# Altium PCB PCB2.PcbDoc (part 1 of 2) (continued)
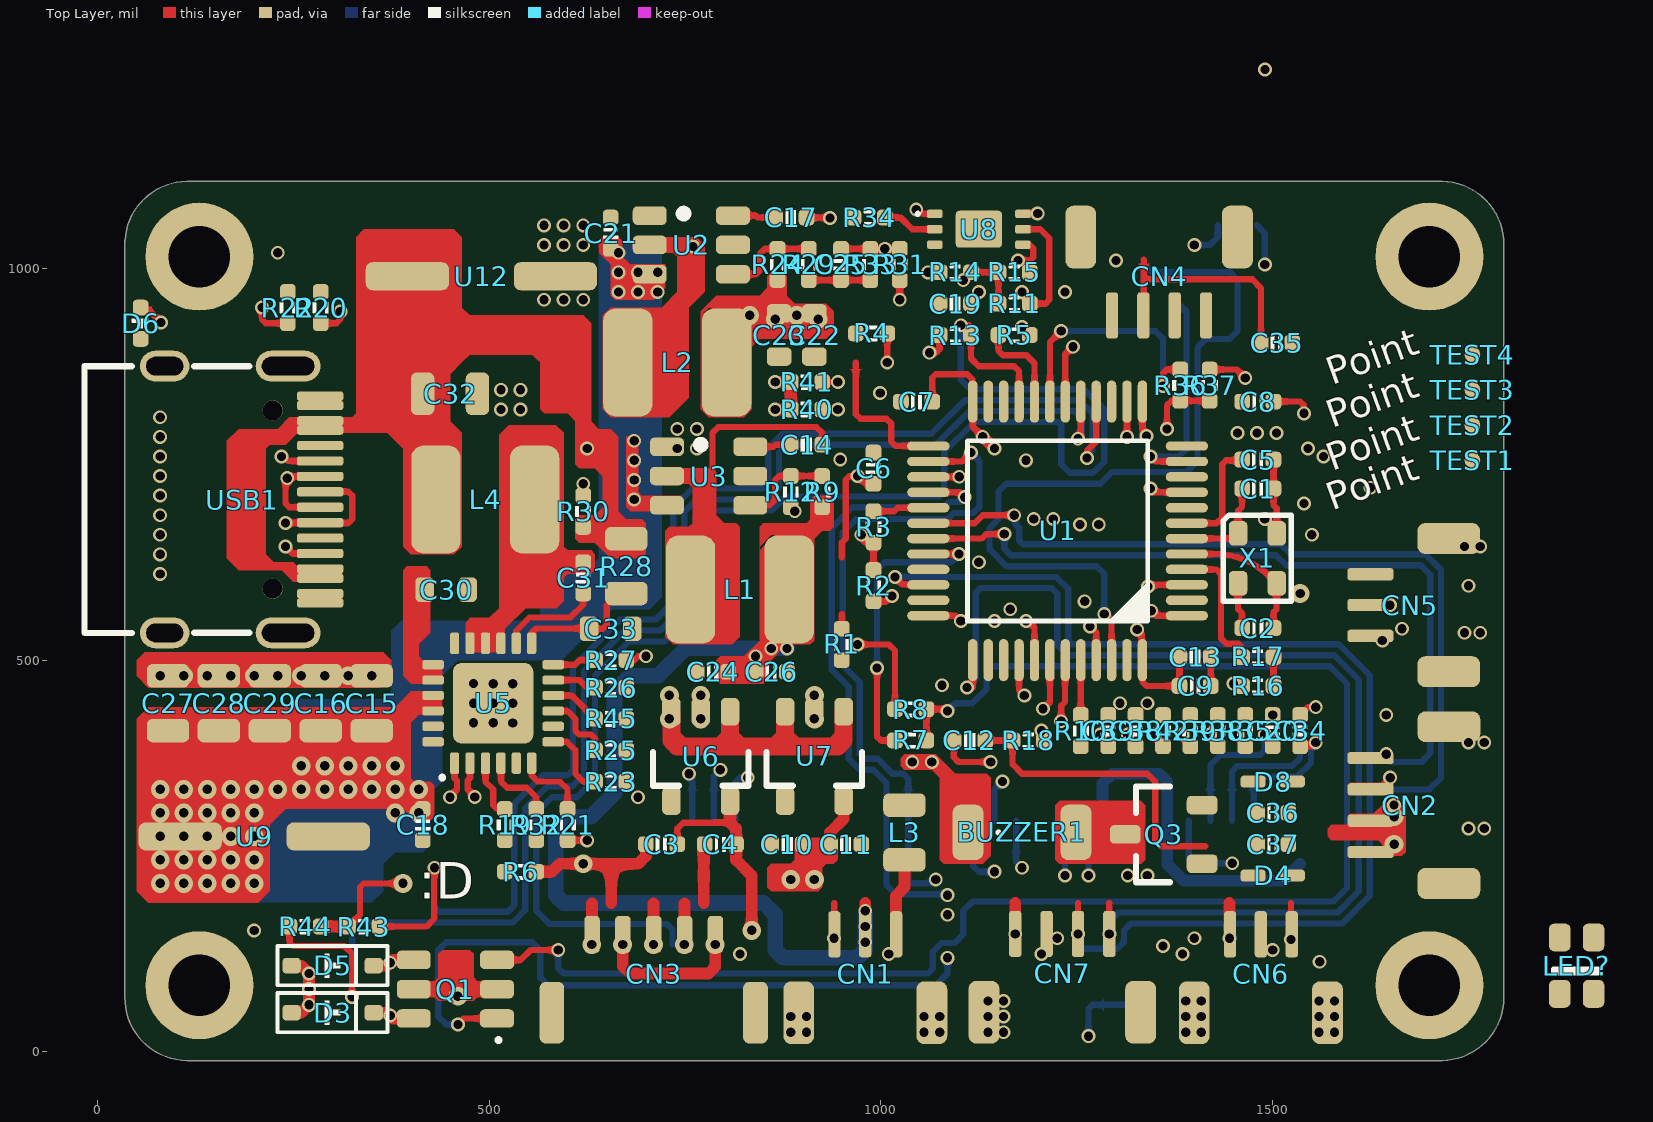
[diagram p0: Top Layer view]
## Design rules (kind name [scope] priority, off if disabled: settings)
Clearance [All] p1: gap=6 ignorepadtopadclearanceinfootprint=FALSE
ComponentClearance [All] p1 off: gap=10 collisioncheckmode=3 verticalgap=10 showdistances=FALSE
HoleSize [All] p1: absolutevalues=TRUE maxlimit=248.03 minlimit=7.87 maxpercent=80.000 minpercent=20.000
HoleToHoleClearance [All] p1: gap=6 allowstackedmicrovias=TRUE
MinimumSolderMaskSliver [All] p1: minsoldermaskwidth=6
PlaneClearance [All] p1: clearance=20
PlaneConnect [All] p1: planeconnectstyle=Direct reliefexpansion=20 reliefentries=4 reliefconductorwidth=10 reliefairgap=10
PolygonConnect [All] p1: connectstyle=Direct reliefconductorwidth=10 reliefentries=4 polygonreliefangle="90 Angle" airgapwidth=10
RoutingVias [All] p1: holewidth=11.81 width=17.72 viastyle="Through Hole" minholewidth=11.81 minwidth=17.72 maxholewidth=236.22 maxwidth=393.7
SilkToSilkClearance [All] p1: silktosilkclearance=0
SilkToSolderMaskClearance [IsPad] p1: minsilkscreentomaskgap=0 clearancetoexposedcopper=FALSE
SolderMaskExpansion [All] p1: expansion=4
UnRoutedNet [All] p1: checkbadconnections=TRUE
Width [All] p1: maxlimit=100 minlimit=5 preferedwidth=8 minimp=50.000000 maximp=50.000000 favimp=50.000000
21 further rules are at their usual default settings.

## Components (designator, comment, footprint, x,y, rotation, side; value= is the part's Value field where it differs from the comment)
BUZZER1 "DET402" BUZ-SMD_L4.0-W4.0-P3.50-L 1180,280 r0 top
C1 "12pF" CAP_0402 1481,719 r0 top
C2 "12pF" CAP_0402 1481,541 r0 top
C3 "10uF" CAP_0402 720,265 r0 top
C4 "0.1uF" CAP_0402 795,265 r0 top
C5 "100nF" CAP_0402 1481,756 r180 top
C6 "10uF" CAP_0402 990.5,745 r270 top
C7 "100nF" CAP_0402 1045.5,830 r0 top
C8 "10uF" CAP_0402 1481,830 r0 top
C9 "100nF" CAP_0402 1401,467 r180 top
C10 "10uF" CAP_0402 880,265 r0 top
C11 "0.1uF" CAP_0402 955,265 r180 top
C12 "10uF" CAP_0402 1113,397.5 r180 top
C13 "10uF" CAP_0402 1401,504 r180 top
C14 "100nF" CAP_0402 905,775 r180 top
C15 "10uF" CAP_0805 350,445 r90 top
C16 "10uF" CAP_0805 285,445 r90 top
C17 "100nF" CAP_0402 885,1065 r180 top
C18 "100nF" CAP_0402 415,290 r90 top
C19 "100nF" CAP_0402 1095,955 r0 top
C20 "1uF" CAP_0402 1500,410 r90 top
C21 "100nF" CAP_0402 655,1045 r270 top
C22 "100nF" CAP_0603 915,915 r270 top
C23 "100nF" CAP_0603 870,915 r270 top
C24 "100nF" CAP_0402 785,485 r180 top
C25 "100nF" CAP_0402 949,1005 r90 top
C26 "100nF" CAP_0402 860,485 r0 top
C27 "10uF" CAP_0805 90,445 r90 top
C28 "10uF" CAP_0805 155,445 r90 top
C29 "10uF" CAP_0805 220,445 r90 top
C30 "10uF" CAP_0603 445,590 r180 top
C31 "0.1uF" CAP_0402 620,605 r270 top
C32 "10uF" CAP_0805 450,840 r180 top
C33 "10uF" CAP_0603 655,540 r180 top
C34 "1uF" CAP_0402 1535,410 r90 top
C35 "0.1uF" CAP_0402 1505,905 r180 top
C36 "1uF" CAP_0402 1500,305 r0 top
C37 "1uF" CAP_0402 1500,265 r0 top
C38 "4.7uF" CAP_0402 1325,410 r270 top
C39 "2.2uF" CAP_0402 1290,410 r270 top
CN1 "HDGC1002WR-S-3P" SH1.0_3P-STAND 980,105 r0 top
CN2 "HDGC1002WR-S-4P" SH1.0_4P-STAND 1680,315 r90 top
CN3 "5P端子" SH1.0-5P-STAND 710,115 r0 top
CN4 "HDGC1002WR-S-4P" SH1.0_4P-STAND 1355,995 r180 top
CN5 "HDGC1002WR-S-3P" SH1.0_3P-STAND 1669.84,570.31 r90 top
CN6 "HDGC1002WR-S-3P" SH1.0_3P-STAND 1485,105 r0 top
CN7 "HDGC1002WR-S-4P" SH1.0_4P-STAND 1231.5,95.5 r0 top
D1 "color?" LED_0805 820,1195 r270 bottom
D2 "color?" LED_0805 1015,1215 r180 bottom
D3 "lue" SOD_323 300,50 r0 top value=color?
D4 "Value" SOD-523_L1.2-W0.8-LS1.6-RD 1500,225 r0 top value=color?
D5 "lue" SOD_323 300,110 r0 top value=color?
D6 "color?" LED_0402 55,930 r270 top
D7 "SMAJ16A" SMA 405,270 r180 bottom value=color?
D8 "Value" SOD-523_L1.2-W0.8-LS1.6-RD 1500,345 r180 top value=color?
H1 "XT30U_M" XT30U_M_Null 140,333.58 r270 bottom
K1 "TACT 2P" Kailh_MicroSwitch 1410,60 r0 bottom
K2 "TACT 2P" Kailh_MicroSwitch 420,60 r0 bottom
L1 "10uH" IND-SMD_L4.0-W4.0 820,590 r0 top
L2 "10uH" IND-SMD_L4.0-W4.0 740,880 r0 top
L3 "Value" IND_0805 1030,280 r90 top
L4 "Value" IND-SMD_L4.0-W4.0 495,705 r180 top
LED? "WS2812B-2020" LED-SMD_4P-L2.0-W2.0-TL_WS2812B-2020 1888,110 r90 top
Q1 "CJL2623" SOT-23-6_L2.9-W1.6-P0.95-LS2.8-BR#1 456.85,80 r0 top
Q3 "Value" SOT23_3 1360.94,277.6 r180 top
R1 "2K" RES_0402 950,520 r90 top value=22R
R2 "10K" RES_0402 990.5,595 r270 top value=22R
R3 "120R" RES_0402 990.5,670 r90 top value=22R
R4 "2K" RES_0402 988,917 r0 top value=22R
R5 "10K" RES_0402 1170,915 r180 top value=22R
R6 "0R" RES_0402 540,230 r180 top value=22R
R7 "120R" RES_0402 1038,397.5 r180 top value=22R
R8 "10K" RES_0402 1038,437.5 r0 top value=22R
R9 "100K" RES_0402 925,715 r270 top value=22R
R10 "10K" RES_0402 1255,410 r90 top value=22R
R11 "1K" RES_0402 1170,955 r0 top value=22R
R12 "13.3K" RES_0402 885,715 r90 top value=22R
R13 "10K" RES_0402 1095,915 r180 top value=22R
R14 "4.7K" RES_0402 1095,995 r0 top value=22R
R15 "4.7K" RES_0402 1170,995 r0 top value=22R
R16 "10K" RES_0402 1481,467 r0 top value=22R
R17 "10K" RES_0402 1481,504 r0 top value=22R
R18 "10K" RES_0402 1188,397.5 r0 top value=22R
R19 "68K" RES_0402 520,290 r90 top value=22R
R20 "5.1K" RES_0402 285,950 r270 top value=22R
R21 "1K" RES_0402 600,290 r90 top value=22R
R22 "5.1K" RES_0402 243,950 r90 top value=22R
R23 "68K" RES_0402 655,345 r180 top value=22R
R24 "100K" RES_0402 868,1005 r270 top value=22R
R25 "68K" RES_0402 655,385 r180 top value=22R
R26 "75K" RES_0402 655,465 r180 top value=22R
R27 "51K" RES_0402 655,500 r0 top value=22R
R28 "0.5Ω" RES_0805 675,620 r90 top value=22R
R29 "13.3K" RES_0402 908,1005 r90 top value=22R
R30 "5.1K" RES_0402 620,690 r270 top value=22R
R31 "10K" RES_0402 1024,1005 r270 top value=22R
R32 "51K" RES_0402 560,290 r90 top value=22R
R33 "2K" RES_0402 986.5,1005 r90 top value=22R
R34 "1K" RES_0402 985,1065 r180 top value=22R
R35 "4.7K" RES_0402 1465,410 r270 top value=22R
R36 "10K" RES_0402 1382,851 r90 top value=22R
R37 "10K" RES_0402 1419.5,851 r90 top value=22R
R38 "4.7K" RES_0402 1430,410 r270 top value=22R
R39 "4.7K" RES_0402 1395,410 r270 top value=22R
R40 "4.7K" RES_0402 905,820 r180 top value=22R
R41 "4.7K" RES_0402 905,855 r180 top value=22R
R42 "910K" RES_0402 1360,410 r90 top value=22R
R43 "10K" RES_0402 340,160 r180 top value=22R
R44 "10K" RES_0402 265,160 r0 top value=22R
R45 "1K" RES_0402 655,425 r180 top value=22R
TEST1 "TestPoint" TestPoint_0402 1755,755 r90 top
TEST2 "TestPoint" TestPoint_0402 1755,800 r90 top
TEST3 "TestPoint" TestPoint_0402 1755,845 r90 top
TEST4 "TestPoint" TestPoint_0402 1755,890 r90 top
TEST6 "TestPoint" TestPoint_0402 1480,1055 r90 bottom
TEST7 "TestPoint" TestPoint_0402 1430,1055 r90 bottom
U1 "STM32F103CBT6" LQFP_48 1225.5,665 r180 top
U2 "TPS54202DDCR" SOT-23-6_L2.9-W1.6-P0.95-LS2.8-BR#2 758,1030 r180 top
U3 "TPS54202DDCR" SOT-23-6_L2.9-W1.6-P0.95-LS2.8-BR#2 780,735 r180 top
U4 "SSD1306/15" OLED_0.96_30P 666.32,242.76 r0 bottom
U5 "IP2326" VQFN-24_L4.0-W4.0-P0.50-BL-EP2.5 505,445 r0 top
U6 "SPX3819M5-L-3-3" SOT23_5 770,375 r270 top
U7 "SPX3819M5-L-3.3" SOT23_5 915,375 r270 top
U8 "BH1750FVI-TR" WSOF-6_L2.6-W1.6-P0.50-TL-EP 1125,1050 r0 top
U9 "TE-D" CAP-SMD_BD5.0-L5.3-W5.3-LS6.3-FD 200,275 r0 top
U12 "TE-D" CAP-SMD_BD5.0-L5.3-W5.3-LS6.3-FD 490,990 r0 top
USB1 "Type-C" TYPE-C_16P 185,705 r180 top
X1 "XYDBPCNANF-12MHZ" CARSTAL_4P_2520 1480.5,630 r270 top value=-

## Footprints (in the part's own frame and the unit in brackets; to place one, negate y for a bottom-side part, rotate by r counter-clockwise, add the part's x,y. Pads: shape width x height; smd on the part's side, far side on the other; paste and mask are expansions set on the pad)
BUZ-SMD_L4.0-W4.0-P3.50-L [mm]
  rrect50% 1x1.8 smd: 1(-1.75,0) 2(1.75,0)
  silkscreen extent -0.79,-0.03 -0.74,0.03
CAP-SMD_BD5.0-L5.3-W5.3-LS6.3-FD [mm]
  rrect50% 2.7x0.91 smd: 1(-2.4,0) 2(2.4,0)
  body extent -3.25,-2.65 3.25,2.65, height 5.4
CAP_0402 [mil] "CAP_0402"
  rrect50% 20x20 smd: 1(-20,0) 2(20,0)
  silkscreen extent -7,-9 7,9, body extent -20,-10 20,10, height 20
CAP_0603 [mm]
  rrect50% 0.6x0.8 smd mask+0.051: 1(-0.7,0) 2(0.7,0)
  body extent -0.8,-0.43 0.8,0.43, height 0.78
CAP_0805 [mil]
  rrect50% 30x54.21 smd mask+2: 1(-35,0) 2(35,0)
  body extent -41,-27 41,27, height 37
CARSTAL_4P_2520 [mm] "CARSTAL_2520"
  rrect50% 0.8x0.6 smd: 1(-0.81,-0.625) 2(0.81,-0.625) 3(0.81,0.625) 4(-0.81,0.625)
  silkscreen extent -1.4,-1.1 1.4,1.1, body extent -1.3,-1.05 1.3,1.05, height 0.55
IND-SMD_L4.0-W4.0 [mm]
  rrect50% 1.6x3.5 smd: 1(-1.6,0) 2(1.6,0)
  body extent -2,-2 2,2, height 1.8
IND_0805 [mil]
  rrect50% 30x54.21 smd mask+2: 1(-35,0) 2(35,0)
  body extent -39,-25 39,25, height 24
Kailh_MicroSwitch [mm]
  rrect50% 1.5x2.5 smd mask+0.051: 1(-2.45,0) 2(2.45,0)
LED-SMD_4P-L2.0-W2.0-TL_WS2812B-2020 [mm]
  rrect50% 0.9x0.7 smd mask+0.051: 1(-0.915,0.55) 2(-0.915,-0.55) 3(0.915,-0.55) 4(0.915,0.55)
  silkscreen extent -0.25,-0.7 -0.1,0.75, body extent -1.1,-1 1.1,1, height 0.84
LED_0402 [mil] "LED_0402"
  rrect50% 20x20 smd: 1(-20,0) 2(20,0)
  silkscreen extent -6,-11 6,10, body extent -20,-10 20,10, height 18
LED_0805 [mil] "LED_0805"
  rrect50% 24x50 smd: 1(-36,0) 2(36,0)
  silkscreen extent -12,-24 12,25, body extent -40,-25 40,25, height 43
LQFP_48 [mil] "LQFP_48"
  oval 54x12 smd: 1(-165,108.27) 2(-165,88.58) 3(-165,68.9) 4(-165,49.21) 5(-165,29.53) 6(-165,9.84) 7(-165,-9.84) 8(-165,-29.53) 9(-165,-49.21) 10(-165,-68.9) 11(-165,-88.58) 12(-165,-108.27) 25(165,-108.27) 26(165,-88.58) 27(165,-68.9) 28(165,-49.21) 29(165,-29.53) 30(165,-9.84) 31(165,9.84) 32(165,29.53) 33(165,49.21) 34(165,68.9) 35(165,88.58) 36(165,108.27)
  oval 12x54 smd: 13(-108.27,-165) 14(-88.58,-165) 15(-68.9,-165) 16(-49.21,-165) 17(-29.53,-165) 18(-9.84,-165) 19(9.84,-165) 20(29.53,-165) 21(49.21,-165) 22(68.9,-165) 23(88.58,-165) 24(108.27,-165) 37(108.27,165) 38(88.58,165) 39(68.9,165) 40(49.21,165) 41(29.53,165) 42(9.84,165) 43(-9.84,165) 44(-29.53,165) 45(-49.21,165) 46(-68.9,165) 47(-88.58,165) 48(-108.27,165)
  silkscreen extent -115,-115 115,115, body extent -177,-177 177,177, height 61
OLED_0.96_30P [mm]
  rrect50% 0.4x2 smd mask+0.051: 1(21.258,-1.327) 2(20.558,-1.327) 3(19.858,-1.327) 4(19.158,-1.327) 5(18.458,-1.327) 6(17.758,-1.327) 7(17.058,-1.327) 8(16.358,-1.327) 9(15.658,-1.327) 10(14.958,-1.327) 11(14.258,-1.327) 12(13.558,-1.327) 13(12.858,-1.327) 14(12.158,-1.327) 15(11.458,-1.327) 16(10.758,-1.327) 17(10.058,-1.327) 18(9.358,-1.327) 19(8.658,-1.327) 20(7.958,-1.327) 21(7.258,-1.327) 22(6.558,-1.327) 23(5.858,-1.327) 24(5.158,-1.327) 25(4.458,-1.327) 26(3.758,-1.327) 27(3.058,-1.327) 28(2.358,-1.327) 29(1.658,-1.327) 30(0.958,-1.327)
  silkscreen extent 0.04,-7.21 22.14,-0.16
RES_0402 [mil] "RES_0402"
  rrect50% 20x20 smd: 1(-20,0) 2(20,0)
  silkscreen extent -7,-9 6,10, body extent -20,-10 20,10, height 14
RES_0805 [mil]
  rrect50% 30x54.21 smd mask+2: 1(-35,0) 2(35,0)
  body extent -39,-24 39,24, height 22
SH1.0-5P-STAND [mm]
  rrect50% 0.5x1.2 smd paste+0 mask+0.051: 1(-2,0.889) 2(-1,0.889) 3(0,0.889) 4(1,0.889) 5(2,0.889)
  rrect50% 0.8x2 smd paste+0 mask+0.051: 6(3.298,-1.651) 7(-3.302,-1.651)
  body extent -3.5,-2.58 3.5,1.02, height 4.25
SH1.0_3P-STAND [mm] "SH1.0_3P"
  rrect50% 0.4x1.5 smd: 1(-1,1.143) 2(0,1.143) 3(1,1.143)
  rrect50% 1x2.032 smd: 4(2.159,-1.397) 5(-2.159,-1.397)
  body extent -2.5,-2.29 2.5,1.31, height 4.25
SH1.0_4P-STAND [mil] "SH1.0_4P"
  rrect50% 15.75x59.06 smd: 1(-60,55) 2(-20,55) 3(20,55) 4(60,55)
  rrect50% 39.37x80 smd: 5(100,-45) 6(-100,-45)
  body extent -118,-82 118,60, height 167
SMA [mil] "SMA"
  rrect50% 55x65 smd: 1(80,0) 2(-80,0)
  silkscreen extent -80,-55 80,55, body extent -98,-53 98,53, height 85
SOD-523_L1.2-W0.8-LS1.6-RD [mil]
  rrect50% 32x15 smd mask+2: 1(-25,0) 2(25,0)
  body extent -33,-18 33,18, height 30
SOD_323 [mm] "SOD_323"
  rrect50% 0.6x0.5 smd: 1(-1.329,0) 2(1.329,0)
  silkscreen extent -1.78,-0.64 1.78,0.64, body extent -1.3,-0.68 1.3,0.67, height 1.15
SOT23_3 [mm] "SOT23, 3-Leads, Body 3.1x3.0mm (max), Pitch 0.95mm, IPC Medium Density"
  rrect50% 1x0.6 smd: 1(-1.246,0.95) 2(-1.246,-0.95) 3(1.246,0)
  silkscreen extent -0.2,-1.55 0.9,1.55, body extent -1.3,-1.45 1.5,1.45, height 1.2
SOT23_5 [mm] "SOT23_5"
  rrect50% 0.889x0.6 smd: 1(-1.5,0.95) 2(-1.5,0) 3(-1.5,-0.95) 4(1.396,-0.95) 5(1.396,0.95)
  silkscreen extent -0.2,-1.55 0.9,1.55, body extent -1.48,-1.45 1.32,1.45, height 1.2
SOT-23-6_L2.9-W1.6-P0.95-LS2.8-BR#1 [mm]
  rrect50% 1.1x0.6 smd paste+0 mask+0.051: 1(1.35,-0.95) 2(1.35,0) 3(1.35,0.95) 4(-1.35,0.95) 5(-1.35,0) 6(-1.35,-0.95)
  silkscreen extent 1.4,-1.65 1.4,-1.65, body extent -1.42,-1.46 1.42,1.46, height 1.07
SOT-23-6_L2.9-W1.6-P0.95-LS2.8-BR#2 [mm]
  rrect50% 1.1x0.6 smd mask+0.051: 1(1.35,-0.95) 2(1.35,0) 3(1.35,0.95) 4(-1.35,0.95) 5(-1.35,0) 6(-1.35,-0.95)
  silkscreen extent 0.13,-1.14 0.38,-0.89, body extent -1.42,-1.46 1.42,1.46, height 1.07
TestPoint_0402 [mil]
  round 20 smd: 1(0,0)
TYPE-C_16P [mm] "TYPE-C_16P"
  round 0.65 hole 0.65: 0(-0.98,-2.89) 0(-0.98,2.89)
  oval 1.6x1 hole 0.6 slot 1.2 at 0 deg: 1(2.52,4.325) 2(2.52,-4.325)
  oval 2.1x1 hole 0.6 slot 1.7 at 0 deg: 3(-1.48,-4.325) 4(-1.48,4.325)
  rrect50% 1.5x0.3 smd: A1(-2.52,-3.35) A4(-2.52,-2.55) A5(-2.52,-1.25) A6(-2.52,-0.25) A7(-2.52,0.25) A8(-2.52,1.25) A9(-2.52,2.55) A12(-2.52,3.35) B1(-2.52,3.05) B4(-2.52,2.25) B5(-2.52,1.75) B6(-2.52,0.75) B7(-2.52,-0.75) B8(-2.52,-1.75) B9(-2.52,-2.25) B12(-2.52,-3.05)
  silkscreen extent -0.22,-4.33 5.12,4.33, body extent -2.57,-4.48 5.18,4.48, height 3.26
VQFN-24_L4.0-W4.0-P0.50-BL-EP2.5 [mm]
  rrect50% 0.3x0.7 smd paste-100 mask+0.051: 1(-1.25,-1.942) 2(-0.75,-1.942) 3(-0.25,-1.942) 4(0.25,-1.942) 5(0.75,-1.942) 6(1.25,-1.942) 13(1.25,1.942) 14(0.75,1.942) 15(0.25,1.942) 16(-0.25,1.942) 17(-0.75,1.942) 18(-1.25,1.942)
  rrect50% 0.7x0.3 smd paste-100 mask+0.051: 7(1.948,-1.25) 8(1.948,-0.75) 9(1.948,-0.25) 10(1.948,0.25) 11(1.948,0.75) 12(1.948,1.25) 19(-1.948,1.25) 20(-1.948,0.75) 21(-1.948,0.25) 22(-1.948,-0.25) 23(-1.948,-0.75) 24(-1.948,-1.25)
  rrect20% 2.6x2.6 smd paste-100 mask+0.051: 25(0.001,-0.001)
  silkscreen extent -1.65,-2.41 -1.65,-2.41, body extent -2.07,-2.07 2.07,2.07, height 0.9
WSOF-6_L2.6-W1.6-P0.50-TL-EP [mm]
  rrect50% 0.505x0.28 smd: 1(-1.427,0.5) 2(-1.427,0) 3(-1.427,-0.5) 4(1.427,-0.5) 5(1.427,0) 6(1.427,0.5)
  rrect20% 1.5x1.2 smd: 7(0,0)
  silkscreen extent -2.01,0.47 -1.95,0.53, body extent -1.5,-0.8 1.5,0.8, height 0.75
XT30U_M_Null [mm] "XT30焊盘_不包含3D"
  rrect50% 2.75x4 smd mask+0.102: 1(-2.25,0) 2(2.25,0)

## Part data
C1 C2 C3 C4 C5 C6 C7 C8 C9 C10 C11 C12 C13 C14 C15 C16 C17 C18 C19 C20 C21 C22 C23 C24 C25 C26 C27 C28 C29 C30 C31 C32 C33 C34 C35 C36 C37 C38 C39: library part Capacitor_MLCC, "Capacitor_MLCC"
CN1 CN5: library part 3P端子, JLCPCB Part Class=扩展库, LCSC Part Name="SH1.0针座卧贴 3P", Manufacturer=HDGC(华德共创), Add into BOM=yes, Convert to PCB=yes, Datasheet=https://atta.szlcsc.com/upload/public/pdf/source/20211229/E8A09E85670B5E97244D2008A24D97FE.pdf, Device=HDGC1002WR-S-3P, Manufacturer Part=HDGC1002WR-S-3P, Name=HDGC1002WR-S-3P, Supplier=LCSC, Supplier Footprint=SMD,P=1mm, Supplier Part=C2936213, Symbol=HDGC1002WR-S-3P
CN2 CN7: library part 4P端子, JLCPCB Part Class=扩展库, LCSC Part Name="SH1.0针座卧贴 4P", Manufacturer=HDGC(华德共创), Add into BOM=yes, Convert to PCB=yes, Datasheet=https://atta.szlcsc.com/upload/public/pdf/source/20211229/E8A09E85670B5E97244D2008A24D97FE.pdf, Device=HDGC1002WR-S-4P, Manufacturer Part=HDGC1002WR-S-4P, Name=HDGC1002WR-S-4P, Supplier=LCSC, Supplier Footprint=SMD,P=1mm, Supplier Part=C2936214, Symbol=HDGC1002WR-S-4P
CN3: JLCPCB Part Class=扩展, LCSC Part Name=GH1.25-5PÎÔÌù±, Manufacturer=BOOMELE(博穆精, Manufacturer Part=GH1.25-5PWBPZ, Add into BOM=yes, Convert to PCB=yes, Datasheet=https://atta.szlcsc.com/upload/public/pdf/source/20211125/08A09A4909F58AF780B71FE423A00F7E.pdf, Device=GH1.25-5PWBPZ, Name=GH1.25-5PWBPZ, Supplier=LCSC, Supplier Footprint=-, Supplier Part=C2829254, Symbol=GH1.25-5PWBPZ
CN4: library part 4P端子, JLCPCB Part Class=扩展, LCSC Part Name=SH1.0针座卧贴, Manufacturer=HDGC(华德共, Add into BOM=yes, Convert to PCB=yes, Datasheet=https://atta.szlcsc.com/upload/public/pdf/source/20211229/E8A09E85670B5E97244D2008A24D97FE.pdf, Device=HDGC1002WR-S-4P, Manufacturer Part=HDGC1002WR-S-4P, Name=HDGC1002WR-S-4P, Supplier=LCSC, Supplier Footprint=SMD,P=1mm, Supplier Part=C2936214, Symbol=HDGC1002WR-S-4P
CN6: library part 3P端子, JLCPCB Part Class=扩展, LCSC Part Name=SH1.0针座卧贴, Manufacturer=HDGC(华德共, Add into BOM=yes, Convert to PCB=yes, Datasheet=https://atta.szlcsc.com/upload/public/pdf/source/20211229/E8A09E85670B5E97244D2008A24D97FE.pdf, Device=HDGC1002WR-S-3P, Manufacturer Part=HDGC1002WR-S-3P, Name=HDGC1002WR-S-3P, Supplier=LCSC, Supplier Footprint=SMD,P=1mm, Supplier Part=C2936213, Symbol=HDGC1002WR-S-3P
D1 D2 D6: library part LED, "LED"
D3 D4 D5 D7 D8: library part Diode_SMD, "Diode_SMD"
H1: JLCPCB Part Class=扩展库, Manufacturer=AMASS(艾迈斯), Manufacturer Part=XT30U-M, Add into BOM=yes, Convert to PCB=yes, Device=XT30U-M, Name=XT30U-M, Pin Type=IN, Supplier=LCSC, Supplier Part=C99101, Symbol=DC电源
K1 K2: library part Button_2P, "Button", Type="TACT 2P"
L1 L2 L3 L4: library part Inductor_SMD, "Inductor_SMD"
LED?: "发光颜色:RGB三色;二极管配置:-;透镜颜色:-;主波长:470.4nm；622.5nm；515.6nm;峰值波长:-;色温:-;测试电流:12mA;功率:-;发光角度:-;安装方式:-;工作温度:-;"
Q1: Continuous Drain Current (Id)=-3A, Drain Source On Resistance (RDS(on)@Vgs,Id)=130mΩ@10V,3A, Drain Source Voltage (Vdss)=-30V, Gate Threshold Voltage (Vgs(th)@Id)=20V, Input Capacitance (Ciss@Vds)=240pF, JLCPCB Part Class="Extended Part", LCSC Part Name="P沟道 耐压:-30V 电流:-3A", Manufacturer=CJ(江苏长电/长晶), Power Dissipation (Pd)=350mW, Reverse Transfer Capacitance (Crss@Vds)=32pF, Add into BOM=yes, Convert to PCB=yes, Datasheet=https://atta.szlcsc.com/upload/public/pdf/source/20171129/C139831_15119539744621151327.pdf, Device=CJL2623, Manufacturer Part=CJL2623, Name=CJL2623, Supplier=LCSC, Supplier Footprint=SOT-23-6, Supplier Part=C139831, Symbol=CJL2623, Total Gate Charge (Qg@Vgs)=4.5nC, Type=P沟道
Q3: library part MOSFET_N, "N_MOS"
R1 R2 R3 R4 R5 R6 R7 R8 R9 R10 R11 R12 R13 R14 R15 R16 R17 R18 R19 R20 R21 R22 R23 R24 R25 R26 R27 R28 R29 R30 R31 R32 R33 R34 R35 R36 R37 R38 R39 R40 R41 R42 R43 R44 R45: library part Resistor_SMD, "Resistor_SMD"
U1: "ARM Cortex-M3 32-bit MCU, 128 KB Flash, 20 KB Internal RAM, 37 I/Os, 48-pin LQFP, -40 to 85 degC, Tray", I/Os (High Current)=37, Operating Frequency(F) (Processor speed) (MHz)=72, Supplier Part Number 1=497-6288-ND, Supply Voltage(Vcc) min (V)=2, A/D Converter="2x12-bit (10 Channel)", ComponentLink1Description="Manufacturer URL", ComponentLink1URL=http://www.st.com/web/en/home.html, ComponentLink2Description=Datasheet, ComponentLink2URL=http://www.st.com/st-web-ui/static/active/en/resource/technical/document/datasheet/CD00161566.pdf, ComponentLink3Description="Package Specification", ComponentLink3URL=http://www.st.com/st-web-ui/static/active/en/resource/technical/document/datasheet/DM00058181.pdf, Core="ARM Cortex-M3", DatasheetVersion="Rev. 16", FLASH Size (Prog) (kB)=128, Internal RAM Size (kB)=20, Mounting Technology="Surface Mount", PackageDescription="48-Pin Low Profile Quad Flat Package, 7 x 7 mm Body, 0.5 mm Pitch", PackageReference=LQFP48, PackageVersion="Rev. 6, 06/2013", Packing=Tray, PartNumber=STM32F103CBT6, Supplier 1=Digi-Key, Supplier 2=Farnell, Supplier 3=Newark, Supplier 4=Newark, Supplier 5=Mouser, Supplier Part Number 2=1606327, Supplier Part Number 3=11N8296, Supplier Part Number 4=57P1214, Supplier Part Number 5=511-STM32F103CBT6
U2 U3: JLCPCB Part Class="Extended Part", Manufacturer=TI(德州仪器), Add into BOM=yes, Convert to PCB=yes, Datasheet=https://atta.szlcsc.com/upload/public/pdf/source/20181012/C191884_C6DBFD980275651BD8C8F427C2E48058.pdf, Device=TPS54202DDCR, LCSC Part Name=TPS54202DDCR, Manufacturer Part=TPS54202DDCR, Name=TPS54202DDCR, Supplier=LCSC, Supplier Footprint=SOT-23-6, Supplier Part=C191884, Symbol=TPS54202DDCR
U4: library part SSD1306-12864, Add into BOM=yes, Convert to PCB=yes, Device=SSD1306/15, Symbol=SSD1306/15
U5: JLCPCB Part Class="Extended Part", Manufacturer=INJOINIC(英集芯), Add into BOM=yes, Convert to PCB=yes, Datasheet=https://atta.szlcsc.com/upload/public/pdf/source/20210701/C2832094_E17C44C11E64EBC07E8B83E7E48DDEF6.pdf, Device=IP2326, LCSC Part Name=IP2326, Manufacturer Part=IP2326, Name=IP2326, Supplier=LCSC, Supplier Footprint=VQFN-24-EP(4x4), Supplier Part=C2832094, Symbol=IP2326
U6 U7: library part LP2992, "LP2992_LDO"
U8: JLCPCB Part Class="Extended Part", Manufacturer=ROHM(罗姆), Add into BOM=yes, Convert to PCB=yes, Datasheet=https://atta.szlcsc.com/upload/public/pdf/source/20160723/1469258984787.pdf, Device=BH1750FVI-TR, LCSC Part Name=BH1750FVI-TR, Manufacturer Part=BH1750FVI-TR, Name=BH1750FVI-TR, Supplier=LCSC, Supplier Footprint=WSOF-6, Supplier Part=C78960, Symbol=BH1750FVI-TR
U9 U12: library part Capacitor_有极, JLCPCB Part Class=扩展库, Add into BOM=yes, Convert to PCB=yes, Datasheet=https://atta.szlcsc.comnull, Device=TE-D, LCSC Part Name=TE-D, Manufacturer Part=TE-D, Name=TE-D, Supplier=LCSC, Supplier Footprint=钽电容7343, Supplier Part=C9900024669, Symbol=TE-D
USB1: library part USB-Type-C, "USB-Type-C_16P"
X1: library part Crystal_4P, "四脚无源晶振", Frequency Stability=-, JLCPCB Part Class=扩展库, LCSC Part Name="12MHz 12pF ±10ppm -20~+70℃", Manufacturer=TAITIEN(泰艺电子), Add into BOM=yes, Convert to PCB=yes, Crystal Type=-, Datasheet=https://atta.szlcsc.com/upload/public/pdf/source/20200427/C521567_8D8DDB0F2E066B5BAD7A5878EBE465E2.pdf, Device=XYDBPCNANF-12MHZ, Frequency Tolerance=-, Load Capacitance=-, Manufacturer Part=XYDBPCNANF-12MHZ, Name=-, Operating Temperature=-, Supplier=LCSC, Supplier Footprint=SMD2520-4P, Supplier Part=C521567, Symbol=XYDBPCNANF-12MHZ

## Free pads (board coordinates)
  round 137.8 hole 78.74: 1(130,85) 1(130,1015) 1(1700,85) 1(1700,1015)

## Via types
v1: diameter 17.72, hole 11.81, Top Layer to Bottom Layer, tented both sides, 251 vias
v2: diameter 24, hole 12, Top Layer to Bottom Layer, tented both sides, 73 vias

## Nets (pads, with @x,y where several pads share a name; then routed paths per layer and width w, separated by ;. In a path a pad name is that pad's centre, name@x,y a point inside that pad or via, vN(x,y) a via of type N, cw(c..) or ccw(c..) an arc to the next point about the centre after c; other vN are vias at no path point)
3V3_IC: BUZZER1.1 C6.2 C7.2 C8.2 C9.2 C10.2 C11.2 C13.2 C36.1 C37.1 CN6.1 CN7.1 D1.1 D8.1 R2.2 R8.1 R11.1 R13.2 R14.2 R15.1 R36.1 R37.1 R40.2 R41.2 R43.2 R44.2 U1.1 U1.9 U1.24 U1.36 U1.48 U4.6 U4.9 U7.5 U8.1 | length 7320
  Top Layer w8: R43.2@320,160 335,175 335,210.31 339.69,215 v2(390,215) ; 950,631 950,641 950,650 955,655 955,730 960,735 v1(970,735) ; v1(970,520) 1010,520 1018,512 R8.1@1018,437.5 ; R2.2@990.5,575 1007,575 v1(1014,582) ; v1(1045,1075) 1047.63,1075 1052.94,1069.68 U8.1@1068.8,1069.68 ; U1.36@1060.5,556.73 1095.27,556.73 v1(1102,550) ; v1(1062,892.5) 1070.31,892.5 1075,897.19 R13.2@1075,915 ; C7.2@1065.5,830 1065.5,860.5 1070,865 1110,865 1116.47,858.53 1116.47,830.77 U1.24@1117.23,830 1117.23,797.77 v1(1130,785) ; v1(1105,985) R14.2@1115,995 R15.1@1150,995 R11.1@1150,955 ; v1(1327,539) 1333,533 1333,500.77 U1.48@1333.77,500 1333.77,472.45 1339.22,467 C9.2@1381,467 C13.2@1381,504 ; v1(1344,719) 1348.79,714.21 U1.9@1390.5,714.21 ; v1(1345,563) 1351.27,556.73 U1.1@1390.5,556.73 ; v1(1365,795) 1365,825 1371,831 R36.1@1382,831 R37.1@1419.5,831 ; C8.2@1501,830 1535,830 1540,825 v1(1540,815)
  Top Layer w10: v1(970,735) 972.09,735 982.09,725 C6.2@990.5,725
  Top Layer w15: R44.2@285,160 R43.2@320,160 ; v1(865,820) R40.2@885,820 R41.2@885,855 v1(865,855) ; C10.2@900,265 C11.2@935,265 935,280 952.4,297.4 U7.5@952.4,320.05 ; v1(1130,785) v1(1145,770) ; v1(1171.5,150.5) 1171.5,190 ; 1444.63,190 1444.81,189.82 1444.81,145.19 v1(1445,145)
  Layer 2 w8: v2(390,215) 675,215 690,200 1035,200 1040,195 ; 1035,1055 1035,980.62 1050.62,965 1084.26,965 v1@1104.26,985 ; 1327,573.82 1331.55,573.82 1342.37,563 v1(1345,563)
  Layer 2 w15: 952.4,341 954.83,341 968.83,355 970,355 ; 970,340 970,355 ; 980,345 970,355 ; v1(1045,1075) 1045,1065 1035,1055 980,1055 970,1045 970,915 955,900 875,900 860,885 860,610 874.47,595.53 954.47,595.53 970,580 v1(970,520) 970,355 ; v1(1102,550) 1102,513 1110,505 1315,505 1327.52,517.52 v1@1327.52,539.52 ; v1@1104.26,985 v1(1105,985) ; v1(1130,785) v1(1145,770) 1145,740 1155,730 1215,730 ; v1@1342.37,563 1335.79,563 1327.52,554.73 v1@1327.52,539.52 ; v1@1343.26,719 1345,717.26 1345,653 1317,625 1317,583.82 1327,573.82 v1(1327,539) v1@1327.52,539.52 ; v1(1344,719) 1339.36,723.64 1328.94,723.64 1322.58,730 1235,730 ; v1(1365,795) 1365,810 ; v1(1540,815) 1535,820 1375,820 ; 1215,730 1235,730 ; 1215,730 1225,740 ; 1225,740 1225,805 1240,820 1355,820 ; 1225,740 1235,730 ; 1355,820 1375,820 ; 1355,820 1365,810 ; 1365,810 1375,820
  Layer 4 w8: v1(970,520) 970,575 ; v1(970,735) 930,735 925,730 925,590 933,582 963,582 ; v1(1014,582) 975,582 ; v1(1062,892.5) 1122.5,892.5 1130,885 v1(1130,785) ; 963,582 975,582 ; 963,582 970,575 ; 970,575 970,577 975,582
  Layer 4 w15: v1(1102,550) 1045,550 1025,530 1025,480 1010,465 970,465 954.5,480.5 815.5,480.5 805,470 805,410 791.36,396.36 636.36,396.36 625,385 625,313.79 633.79,305 660,305 670,295 670,230 680,220 v2(885,220) v2(915,220) 1015,220 1045,250 1095,250 1115,230 1115,195 1130,180 1515,180 1535,200 1535,240
  Bottom Layer w15: U4.9@1282.79,295 1282.8,342.8 1295,355 1355,355 1365.47,344.53 1365.47,239.45 1386.51,218.41 1513.41,218.41 1535,240
  other v1: 1040,370 1065,370
3V3_SHUTTER: C3.2 C4.2 Q1.2 Q1.5 U6.5 | length 870.7
  Top Layer w8: C3.2@740,265 740,285 747.6,292.6 807.4,292.6
  Top Layer w15: Q1.5@403.7,80 Q1.2@510,80 ; U6.5@807.4,320.05 807.4,292.6 815,285 C4.2@815,265 815,245 835,225 v2(835,155)
  Layer 4 w15: v2(460,70.94) 460,170 470,180 825,180 835,170 v2(835,155)
+5: C22.1 C23.1 CN4.1 L2.2 R24.2 U6.1 U6.3 U7.1 U7.3 | length 2713.4
  Top Layer w15: CN4.1@1414.94,921.05 CN4.1@1414.94,942.7
  Top Layer w23: U6.3@732.6,434.06 732.6,402.6 ; U6.1@807.4,434.06 807.4,402.6 ; U7.3@877.6,434.05 877.6,402.6 ; U7.1@952.4,434.05 952.4,402.6 ; 732.6,402.6 732.6,397.4 740,390 745.2,390 ; 732.6,402.6 745.2,390 ; 745.2,390 794.8,390 ; 794.8,390 807.4,402.6 ; 794.8,390 800,390 ; 800,390 807.4,397.4 807.4,402.6 ; 800,390 820,390 ; 807.4,402.6 820,390 ; 820,390 865,390 ; 865,390 877.6,402.6 ; 865,390 885,390 ; 877.6,402.6 890.2,390 ; 877.6,402.6 877.6,397.4 885,390 ; 885,390 890.2,390 ; 885,390 890.2,390 ; 890.2,390 915,390 ; 890.2,390 915,390 ; 915,390 939.8,390 ; 939.8,390 952.4,402.6 ; 939.8,390 945,390 952.4,397.4 952.4,402.6
  Layer 2 w20: v2@730,435 v2(730,455) 730,475 745,490 785,490 805,510 805,925 820,940 v2(832.5,940) v2@920,940
  Layer 4 w15: v2(832.5,940) 955,940 970,925 970,775 1005,740 1005,638.79 1015.43,628.36 1041.64,628.36 1070,600 1285,600 1310,625 ; 1425,950 1423.28,948.28 1423.28,933.28 1415,925 1300,925 1285,910 1285,770 1310,745 1310,625 ; v2(1535,585) 1535,615 1525,625 1310,625
  other v2: 730,425 865,935 920,935 892.5,940
+5_SERVO: C24.1 C26.1 CN1.2 L1.2 R9.2 | length 1102.9
  Top Layer w15: v1(980,140) v1(980,160) v1(980,180) 980,190
  Bottom Layer w20: v1(880,515) v1(860,515) 750.4,515 715.54,480.14 680.14,480.14 660,460 660,330 630,300 603.53,300 585,281.47 585,200 595,190 850,190 865,175 865,130 874.86,120.14 970.14,120.14 980,130 v1(980,140) v1(980,160) v1@980,175
  other v1: 840,505
BATADC: C25.2 R31.1 R33.2 U1.18 | length 506.4
  Top Layer w8: C25.2@949,1025 R31.1@1024,1025 ; U1.18@1235.34,830 1235.34,890.34 v1(1245,900)
  Layer 2 w8: v1(1005,1025) 1005,930 1015,920 1075,920 1085,910 1085,900 1090,895 1237.37,895 1242.37,900 v1(1245,900)
BUZZER: C12.2 U1.45 | length 604.3
  Top Layer w8: C12.2@1093,397.5 1093,376 1099,370 v1(1140,370) ; v1(1267,543) 1274.71,535.29 U1.45@1274.71,500
  Layer 2 w8: v1(1140,370) 1140,418 1131,427 1131,478 1125,484 1098,484 1080,502 1080,578 1088,586 1114,586 1125,575 1125,540 1133.86,531.14 1255.14,531.14 v1(1267,543)
CS: R39.2 U4.13 | length 427.9
  Top Layer w8: v1(1385,405) 1386.86,403.14 1386.86,398.68 1395,390.54 R39.2@1395,390
  Layer 4 w8: v1(1180,235) 1180,250 1190,260 1230,260 1237,267 1237,287 1258,308 1373,308 1385,320 v1(1385,405)
  Bottom Layer w8: U4.13@1172.56,295 1172.56,242.44 v1(1180,235)
D0: R41.1 U1.26 U4.18 | length 1366.2
  Top Layer w8: R41.1@925,855 v1(945,855) ; U1.26@1060.5,753.58 1103.58,753.58 v1(1115,765)
  Layer 2 w8: v1(945,855) 915,855 910,850 910,695 915.86,689.14 1119.14,689.14 1130,700 1130,730 1118.86,741.14 1118.86,741.81 1116.86,743.81 1116.86,763.14 v1(1115,765)
  Bottom Layer w8: U4.18@1035,295.24 U4.18@1034.76,295 ; v1(1070,220) 1065.14,215.14 1039.86,215.14 1034.76,220.24 U4.18@1034.76,295 ; v1(1115,765) 1125.86,754.14 1125.86,695.86 1117.86,687.86 1092.86,687.86 1085,680 968.33,680 951.14,662.81 951.14,493.66 973,471.8 973,380 979,374 995.8,374 1014.8,355 1028.33,355 1034.76,348.57 U4.18@1034.76,295
D1: R40.1 U1.28 U4.19 | length 1097.1
  Top Layer w8: R40.1@925,820 v1(945,820) ; U1.28@1060.5,714.21 1100.79,714.21 v1(1107,708)
  Layer 2 w8: v1(945,820) 1065,820 1075,810 1075,715 1082,708 v1(1107,708)
  Bottom Layer w8: v1(1085,200) 1083.86,201.14 1018.86,201.14 1007.2,212.8 1007.2,342.8 990,360 973.2,360 959,374.2 959,466 937.14,487.86 937.14,668.61 963.53,695 1080.2,695 1087.06,701.86 1100.86,701.86 v1(1107,708)
D/C: U1.14 U4.15 | length 1460.7
  Top Layer w8: v1(1314,785) 1314.08,785.08 U1.14@1314.08,830
  Layer 2 w8: v1(1314,785) 1315,784 1314,783 1314,763.33 1336.19,741.14 1618.86,741.14 1625,735 v1(1625,720)
  Layer 4 w8: v1(1145,230) 1145.86,229.14 1145.86,214.14 1155,205 1490,205 1505,220 1505,325 1515,335 1570,335 1585,350 1585,490 1614,519 1614,709 v1(1625,720)
  Bottom Layer w8: U4.15@1117.44,295 1117.44,237.56 1125,230 v1(1145,230)
DM: U5.1 USB1.A7 USB1.B7 | length 992.6
  Top Layer w8: USB1.A7@284.21,695.16 244.84,695.16 240,700 240,730 v1(242.26,732.26) 244.53,734.53 USB1.B7@284.21,734.53 ; v1(450,325) 450,326 458.76,334.76 458.76,346.24 455.79,349.21 U5.1@455.79,368.55
  Layer 4 w8: v1(242.26,732.26) 242.26,722.74 250,715 315,715 332,732 352,732 410,732 451,691 451,394 463,382 509,382 524,367 524,290 508,274 472.89,274 459,287.89 459,316 v1(450,325)
DP: U5.2 USB1.A6 USB1.B6 | length 1003.5
  Top Layer w8: v1(240,675) 240.24,675.24 283.98,675.24 USB1.B6@284.21,675.47 284.69,675 320,675 325,680 325,710 320.16,714.84 ; U5.2@475.47,368.55 475.47,349.21 472.76,346.5 472.76,335.02 v1@481.52,326.26 ; 320.16,714.84 320,715 284.37,715 USB1.A6@284.21,714.84 320.16,714.84
  Layer 4 w8: v1(240,675) 240,690 251,701 320.8,701 337.8,718 404.2,718 437,685.2 437,388.2 457.2,368 501,368 510,359 510,295.8 502.2,288 478.69,288 473,293.69 473,316.74 v1(481.52,325.26)
ENC1: K1.1 R43.1 U1.16 | length 2802.5
  Top Layer w8: R43.1@360,160 420,160 430,170 v1(430,235) ; v1(1263,758) 1263,767.33 1274.71,779.04 U1.16@1274.71,830
  Layer 4 w8: v1(430,235) 430,210 440,200 865,200 880,185 880,100 890,90 1250,90 1265,75 v1(1265,20)
  Bottom Layer w8: v1(430,235) 430,185 436,179 524,179 532,187 532,316.6 568.4,353 600,353 607,360 607,491.6 667.26,551.86 712.46,551.86 735,574.4 735,695 750,710 750.2,710 759.2,719 849.2,719 856,725.8 856,770.8 874.2,789 1064.4,789 1107.26,831.86 1253.34,831.86 1270.37,814.83 1270.37,774.7 1270,774.33 1270,767.63 1263,760.63 v1(1263,758) ; v1(1265,20) 1265,55 1270,60 K1.1@1313.54,60
ENC2: K2.1 R44.1 U1.17 | length 1786.2
  Top Layer w8: R44.1@245,160 245,140 250,135 315,135 325,125 v1(325,70) ; v1(1251.51,782.51) 1255.03,786.03 U1.17@1255.03,830
  Bottom Layer w8: v1(325,70) 325,160 330,165 529.8,165 546,181.2 546,310.8 574.2,339 605.8,339 621,354.2 621,485.8 673.06,537.86 718.26,537.86 749,568.6 749,689.2 749.2,689.2 765,705 855,705 870,720 870,765 880,775 1070.2,775 1113.06,817.86 1247.54,817.86 1256.37,809.03 1256.37,787.37 v1(1251.51,782.51)
ENC3: U1.15
GND: C1.2 C2.1 C5.1 C6.1 C7.1 C8.1 C9.1 C10.1 C11.1 C13.1 C15.2 C16.2 C18.1 C19.1 C21.1 C22.2 C23.2 C24.2 C25.1 C26.2 C27.2 C28.2 C29.2 C30.1 C32.1 C33.1 C35.1 C36.2 C37.2 C38.1 C39.1 CN1.4 CN1.5 CN2.4 CN2.5 CN2.6 CN3.6 CN3.7 CN4.4 CN4.5 CN4.6 CN5.1 CN5.4 CN5.5 CN6.2 CN6.4 CN6.5 CN7.2 CN7.5 CN7.6 D4.2 D6.2 D7.2 H1.1 K1.2 K2.2 L3.2 pad.1 Q3.2 R1.1 R4.1 R5.1 R6.2 R10.1 R12.1 R16.2 R17.2 R18.2 R19.1 R20.1 R22.2 R23.1 R25.1 R26.1 R29.1 R30.1 R32.1 R33.1 R34.2 R35.1 R38.1 R39.1 R42.2 R45.1 U1.8 U1.22 U1.23 U1.35 U1.47 U2.1 U3.1 U4.1 U4.8 U4.12 U4.16 U4.17 U4.21 U4.22 U4.23 U4.24 U4.25 U4.29 U4.30 U5.18 U5.24 U5.25 U7.2 U8.3 U8.7 U9.2 U12.2 USB1.1 USB1.2 USB1.3 USB1.4 USB1.A1 USB1.A12 USB1.B1 USB1.B12 X1.2 X1.4 | length 336.7
  Top Layer w8: R30.1@620,710 v1(620,725) ; R29.1@908,985 C25.1@949,985 R33.1@986.5,985 ; v1(1180,925) R5.1@1190,915 ; C9.1@1421,467 C13.1@1421,504 ; X1.2@1455.89,598.11 1455.89,565.11 1461,560 C2.1@1461,541 ; R16.2@1501,467 R17.2@1501,504 ; C5.1@1501,756 C1.2@1501,719 1501,698 1505.11,693.89 X1.4@1505.11,661.89
  other v1: 885,25 905,25 1055,25 1075,25 1136.5,25 1156.5,25 1389,25 1409,25 1559,25 1579,25 885,45 905,45 1055,45 1075,45 1136.5,45 1156.5,45 1389,45 1409,45 1559,45 1579,45 1136.5,65 1156.5,65 1389,65 1409,65 1559,65 1579,65 1560,115 820,125 1205,125 1385,125 1500,130 1360,135 1225,145 1400,145 200,155 1315,225 1340,225 1750,285 1770,285 690,325 1645,380 1750,395 1770,395 1205,410 479.97,419.97 504.99,419.94 530.02,419.9 1645,430 480,445 505.03,444.97 530.06,444.93 1305,445 1340,445 1078,468 480.03,470.03 505.06,469.99 530.09,469.96 1640,525 1745,535 1765,535 1665,540 1145,550 1165,565 1260,575 1750,595 80,610 1125,625 80,635 1745,645 1765,645 80,660 1550,660 1254,673 1278,673 1195,680 1220,680 1490,680 80,685 890,690 1540,700 80,710 80,735 1185,755 948,756 80,760 1565,760 740,770 765,770 1545,770 80,785 1455,790 1480,790 1505,790 740,795 765,795 80,810 515,820 540,820 999,841 515,845 540,845 570,960 595,960 620,960 1300,1010 230,1020 570,1030 595,1030 620,1030 570,1055 595,1055 620,1055 1490.06,1253.95
  other v2: 915,425 915,455 80,480 110,480 140,480 170,480 200,480 230,480 260,480 290,480 320,480 350,480